# KiCad board Main.kicad_pcb (continued)
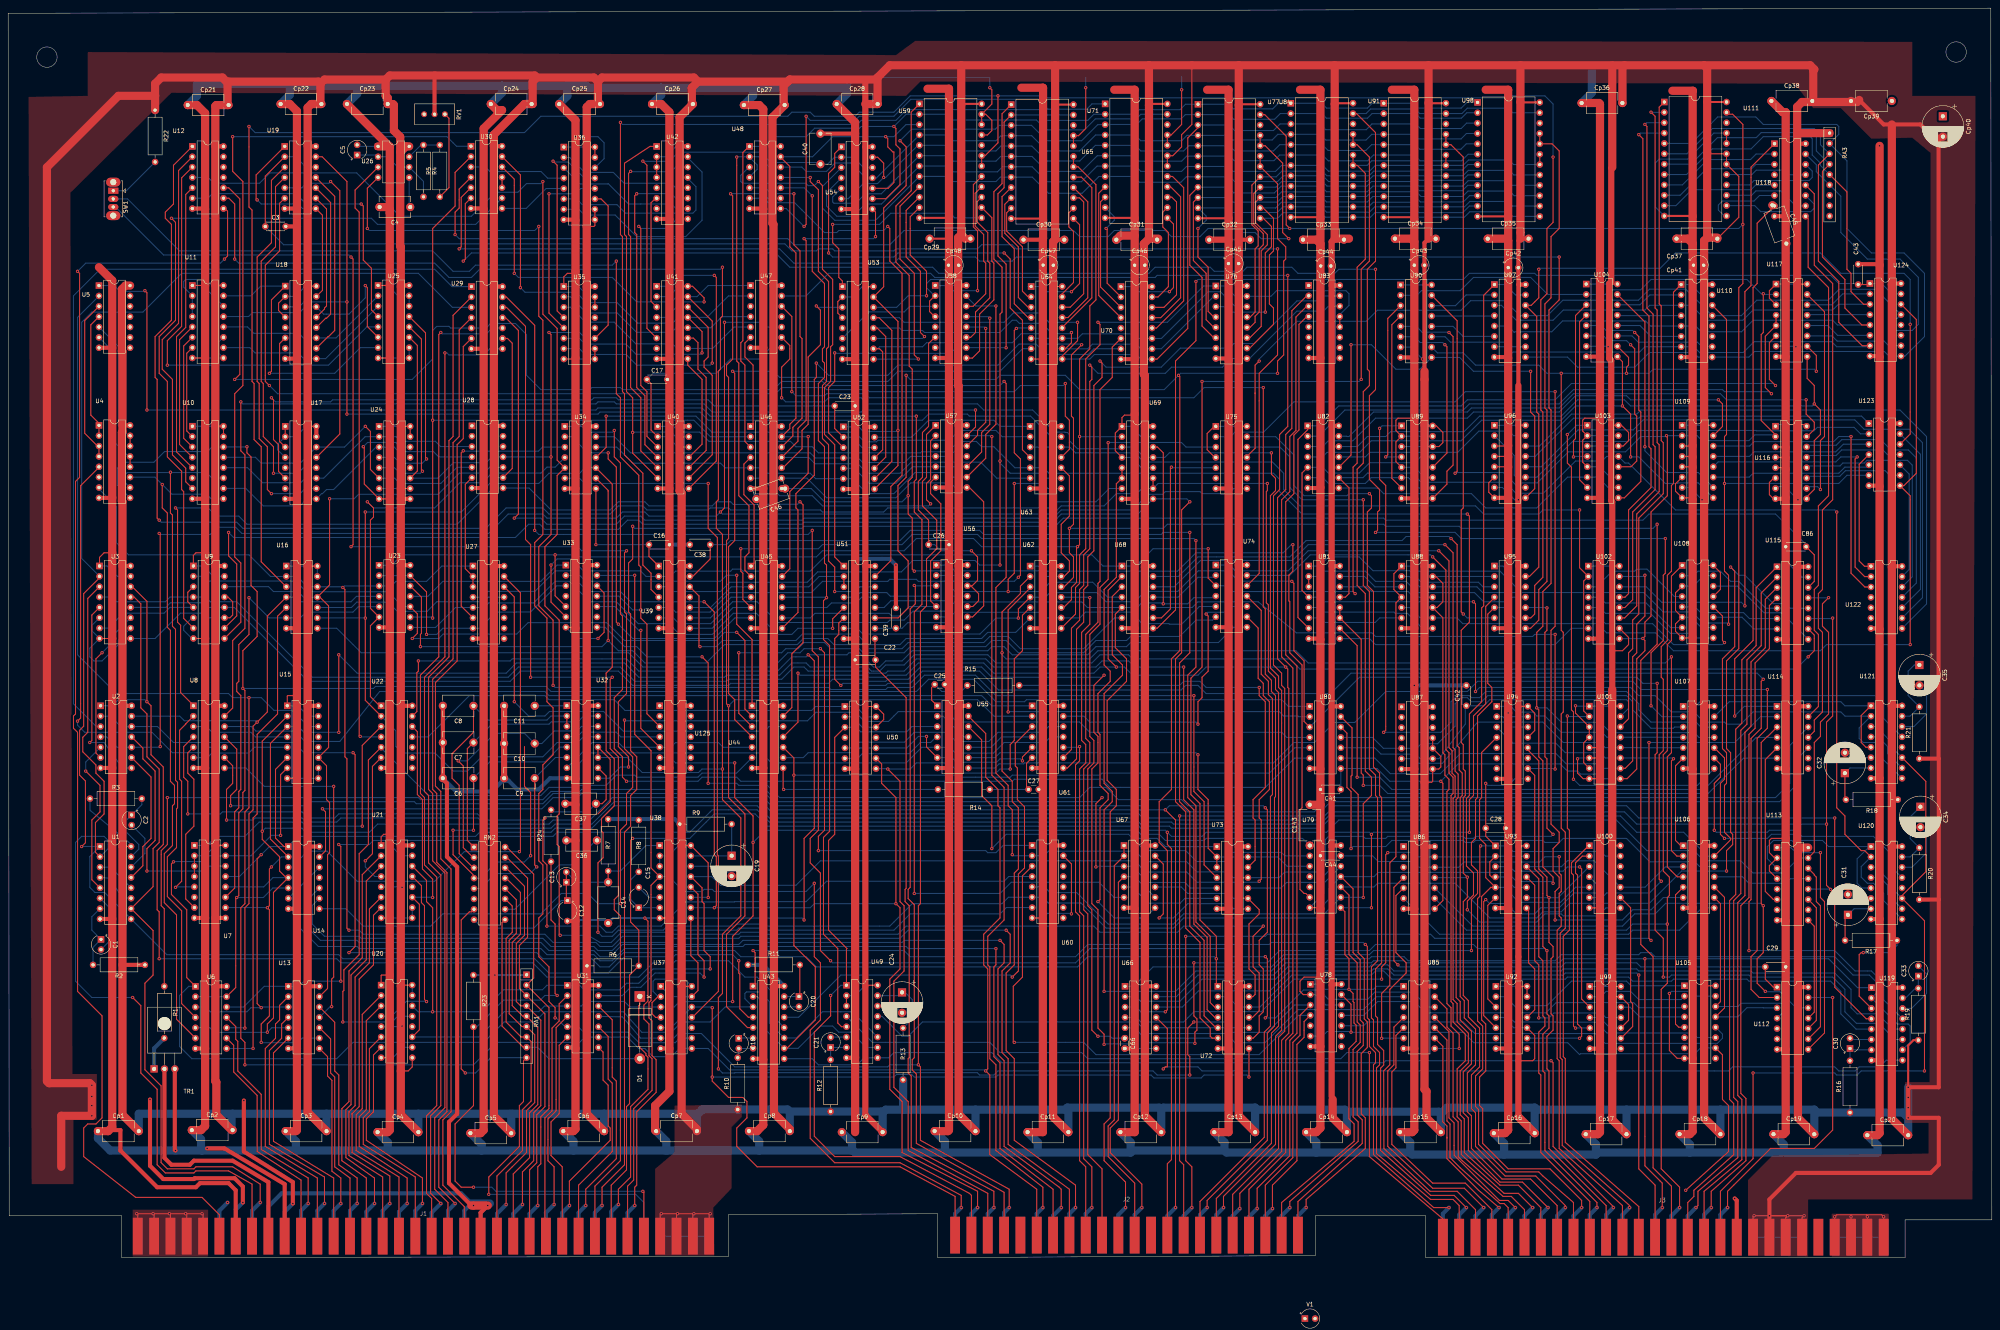
[diagram p0: board, top side]
## Routing (per net, layer and track width the routed paths; a pad name or vN(x,y) marks a point on that pad's centre or on a via; arc(x,y) is an arc through that point) (continued)
  vias: v1(20.5,39.5) v1(20.5,37.25) v1(465.5,39.25) v1(465.5,36.75)
7MHz: length 339.1
  Top w0.25: v1(385,183.25) 385,169.08 U102.2 386,165.82 386,134 U101.2 ; J3.13 399.5,12.5 381.5,28.25 381.5,48.75 381,49.25 381,78.75 382.5,80.25 382.5,104.75 382,105.25 v1(382,132.75)
  Bottom w0.25: U63.3 U63.12 260.08,198.67 261.5,197.25 261.5,197.25 276,197.25 278.25,195 309.75,195 312.5,192.25 312.5,188.25 316.5,184.25 359.5,184.25 361.5,182.25 375,182.25 376,183.25 v1(385,183.25) ; v1(382,132.75) 382.13,132.62 U101.2
14MHz: length 82.4
  Top w0.25: v1(421.25,12.25) 421.25,16.25 431.75,26.75 442.5,26.75 447,31.25 v1(447,63.75)
  Bottom w0.25: U112.13 v1(447,63.75)
  Bottom w1: J3.46 419.5,10.5 v1(421.25,12.25)
8000: length 157.2
  Top w0.25: U79.6 317.93,89.25 317.5,89.25 316.5,90.25 316.5,109.75 317,110.25 317,145.25 314,148.25 314,160.75 313.77,160.97 313.77,167.28 314.75,168.25 v1(314.75,174.75)
  Bottom w0.25: v1(314.75,174.75) 314.38,174.75 312.38,172.75 291,172.75 286.5,168.25 254.5,168.25 253.26,169.49 U62.1
A6: length 318
  Top w0.25: J1.6 51.75,10.5 47.5,14.75 31.25,14.75 18.5,24.75 18.5,31.75 19.5,32.75 21.5,32.75 23,34.25 23,59.25 17,65.25 17,128.75 16,129.75 16,132.75 16.5,133.25 16.5,190.25 17.5,191.25 17.5,241.25 v1(17,241.75) ; v1(53,244.75) 53.75,245.5 53.75,256.5 53.12,257.13 U12.8
  Bottom w0.25: v1(53,244.75) 52,243.75 19,243.75 v1(17,241.75)
A8: length 216.3
  Top w0.25: J1.8 59.75,18 54,21.25 46,21.25 45.5,20.75 38.5,20.75 36.5,22.75 36.5,41.25 32.5,45.25 32.5,61.75 v1(30.5,63.75) ; U1.2 21.38,99.37 21.38,106.62 23.5,108.75 23.5,116.75 21.5,118.75 21.5,120.75 18.27,123.97 18.27,127.53 19.5,128.75 19.5,161.57 U3.3
  Bottom w0.25: U1.2 24.5,100.24 24.5,102.25 23.5,103.25 18,103.25 16.5,101.75 16.5,67.75 20.5,63.75 v1(30.5,63.75)
A9: length 63.1
  Top w1: J1.9 63.75,18.5 55,23.75 45.5,23.75 44.5,22.75 40,22.75 38.29,24.46 TR1.2
A11: length 57.5
  Top w0.25: U6.9 55.25,52.04 55.25,45.5 61,39.75 61,26 71.75,19 J1.11
A12: length 68.2
  Top w0.25: J1.12 75.75,19.5 63,27.25 63,51.25 65.5,53.75 65.5,57.25 66.5,58.25 66.5,61.83 U13.2
A13: length 58.3
  Top w0.25: U13.6 65,50.17 65,28.5 79.75,19.5 J1.13
A14: length 54.5
  Top w0.25: J1.14 83.75,19.5 80,22.25 80,44.25 79,45.25 79,53.59 U13.10
A15: length 100.3
  Top w0.25: U21.2 86.75,93.86 86.75,73.5 83.5,70.25 83.5,38.25 81.75,36.5 81.75,23.75 87.75,19.5 J1.15
A16: length 90.9
  Top w0.25: J1.16 91.75,19.75 83.5,25 83.5,35.75 85,37.25 85,68.75 88.5,72.25 88.5,85.45 U21.6
A17: length 67.4
  Top w0.25: U20.2 86.75,59.61 86.75,36.5 85.25,35 85.25,26.25 95.75,19.75 J1.17
A18: length 57.7
  Top w0.25: J1.18 99.75,19.75 87,27.75 87,34.25 88.5,35.75 88.5,51.2 U20.6
A19: length 242.6
  Top w0.25: J1.19 103.75,14.5 102.5,15.75 102.5,34.75 105,37.25 105,93.25 102,96.25 102,112.75 101,113.75 101,142.75 105.5,147.25 105.5,226.25 v1(106,226.75)
  Bottom w0.25: U29.10 118.59,227.84 117.18,226.43 106.32,226.43 v1(106,226.75)
A20: length 238.6
  Top w0.25: U29.2 109,230.96 109,201.25 108,200.25 108,147.25 103,142.25 103,114.75 104,113.75 104,97.25 107,94.25 107,36.75 104.5,34.25 104.5,16.75 107.75,13.5 J1.20
A21: length 228.3
  Top w0.25: J1.21 111.75,12.5 106.5,17.75 106.5,33.75 108.5,35.75 108.5,95.25 106,97.75 106,114.25 104.68,115.57 104.68,140.93 110,146.25 110,199.25 111.5,200.75 111.5,223.3 U29.6
A23: length 90.8
  Top w0.25: J1.23 119.75,20 126,26.25 126,36.25 128.12,38.38 128.12,52.95 RA1.7 125.67,54.08 122,57.75 122,78.25 123.5,79.75 123.5,86.17 RN2.11
A24: length 95.9
  Top w0.25: RN2.13 122,93 125.5,89.5 125.5,79.25 123.5,77.25 123.5,61.75 126.09,59.16 RA1.5 129.75,56.41 129.75,37.5 127.75,35.5 127.75,24.5 123.75,20.5 J1.24
A25: length 100.5
  Top w0.25: J1.25 127.75,21.5 129.5,23.25 129.5,35 131.5,37 131.5,59.74 RA1.3 125.25,65.99 125.25,76.5 127.25,78.5 127.25,92.75 ; 127.25,92.96 127.25,92.75 ; 127.25,92.75 127.25,93 122.17,98.08 RN2.15
A26: length 61.1
  Top w0.25: 131.75,5.5 131.5,5.75 131.5,34.25 133.25,36 133.25,56.25 135,58 135,62.2 U31.2
A27: length 51.3
  Top w0.25: 135.75,5.5 135.75,22.25 133,25 133,33.25 135,35.25 135,52.04 U31.6
A28: length 55.9
  Top w0.25: 139.75,5.5 139.75,17.75 148,26 148,42.75 147,43.75 147,54.2 U31.10
A29: length 255.7
  Top w0.25: 143.75,5.5 143.75,17.5 150,23.75 150,83.75 148.5,85.25 148.5,87.75 149.5,88.75 149.5,122.75 147.5,124.75 147.5,141.75 v1(148,142.25) ; 128,145.75 128,145.5 ; 128,145.75 128,174.75 126.75,176 126.75,228.25 122.08,232.92 U29.12 ; 128,145.75 v1(128,142.25)
  Bottom w0.25: v1(148,142.25) v1(128,142.25)
A30: length 273.1
  Top w0.25: 147.75,5.5 147.75,17.75 151.5,21.5 151.5,37 152.25,37.75 152.25,69.25 R6.2 154.5,80.25 152.5,82.25 152.5,102.25 v1(153,102.75)
  Bottom w0.25: v1(153,102.75) 167,102.75 173,108.75 183,108.75 186,105.75 275.5,105.75 277.5,103.75 282,103.75 283.5,102.25 293,102.25 293.5,102.75 317.13,102.75 C143.1
A32: length 154.9
  Top w0.25: v1(134.5,64.25) 134,64.75 134,81.75 133,82.75 R24.1 ; v1(155.5,16.25) 155.75,16 J1.32 ; v1(114,17.25) 111,17.25 109.5,18.75 109.5,32.75 114,37.25 R23.2
  Bottom w0.25: v1(134.5,64.25) 131.5,64.25 130.37,63.12 121.37,63.12 114.8,56.55 R23.2 ; v1(155.5,16.25) 119.5,16.25 118.5,17.25 v1(114,17.25)
Aa: length 94.2
  Top w0.25: RN2.12 124.5,87.71 124.5,79.5 122.75,77.75 122.75,59.75 125.88,56.62 RA1.6 129,54.62 129,38 127,36 127,25.75 122,20.75 v1(122,13)
  Bottom w1: J1.59 119.75,10.75 v1(122,13)
Ab: length 99.3
  Top w0.25: v1(126,13) 126,21 128.75,23.75 128.75,35.5 130.5,37.25 130.5,58.2 RA1.4 125.55,61.7 124.5,62.75 124.5,77 126.5,79 126.5,91 121.96,95.54 RN2.14
  Bottom w1: J1.60 123.75,10.75 v1(126,13)
Ac: length 103.5
  Top w0.25: v1(129.75,12.75) 129.75,22.25 130.5,23 130.5,34.5 132.5,36.5 132.5,61.28 RA1.2 128.75,68.53 128.75,94 122.13,100.62 RN2.16
  Bottom w1: J1.61 127.75,10.75 v1(129.75,12.75)
ACCE. A: length 523
  Top w0.25: v1(81,128.75) v1(81,147.75) ; U14.2 64.25,102.59 64.25,126.04 U15.3 ; v1(64.5,95.75) 64,95.25 64,86.25 v1(63.5,85.75) 64,85.25 64,59.25 62,57.25 v1(62,52.75) ; v1(441,147.25) 442.5,148.75 442.5,152.59 U115.10
  Bottom w0.25: v1(62,52.75) 62.08,52.68 70.92,52.68 72.05,53.8 U13.9 ; U7.10 63.46,85.79 v1(63.5,85.75) ; v1(64.5,95.75) 66.96,98.21 U14.2 ; v1(441,147.25) 438,144.25 316.5,144.25 314,146.75 275.5,146.75 274.5,147.75 267.5,147.75 265.5,145.75 242,145.75 240,147.75 222,147.75 219.5,145.25 215,145.25 213.5,143.75 211.5,143.75 210.5,144.75 196.5,144.75 195.5,145.75 192,145.75 189,142.75 176,142.75 175.5,142.25 154.5,142.25 151,145.75 124.5,145.75 122,143.25 85.5,143.25 v1(81,147.75) ; U15.3 71.08,130.17 72.5,128.75 81,128.75 v1(81,128.75)
ACCE. B: length 596.9
  Top w0.25: v1(447,156.75) 447,132.75 445.5,131.25 v1(445.5,106.25) 445.5,91.25 v1(446.5,90.25) ; U15.2 62.25,126.58 v1(62.25,104.5) 62.25,102.5 66.5,98.25 66.5,94.75 68.12,93.13 U14.4 65,89.5 65,58.75 63.5,57.25 v1(63.5,55.25)
  Bottom w0.25: U115.11 446.88,156.63 v1(447,156.75) ; v1(445.5,106.25) 399,106.25 396,109.25 324.5,109.25 321.5,106.25 285.5,106.25 285,106.75 279,106.75 277,108.75 187.5,108.75 184.5,111.75 148.5,111.75 143,106.25 134,106.25 133,105.25 117,105.25 116,106.25 90.5,106.25 88.5,104.25 73,104.25 72,105.25 63,105.25 v1(62.25,104.5) ; U113.12 446.42,90.33 v1(446.5,90.25) ; U14.4 64.88,93.13 62.62,90.87 U7.12 ; U13.5 64.59,56.34 v1(63.5,55.25) 63.45,55.2 50.55,55.2 49.42,56.33 U6.5
ACCE. C: length 565.1
  Top w0.25: U15.6 65.5,119.67 65.5,102.83 67.58,100.75 U14.1 ; v1(62,98.75) 61,97.75 61,62.25 v1(62,61.25) ; U106.13 422,102.41 422,102.75 420.5,104.25 420.5,115.75 421,116.25 421,123.75 420,124.75 420,146.75 423,149.75 423,168.25 v1(422,169.25)
  Bottom w0.25: U7.13 56.66,93.41 v1(62,98.75) 64,100.75 U14.1 68.63,100.88 71,103.25 114.5,103.25 115.5,104.25 133,104.25 134,105.25 143,105.25 148.5,110.75 183.5,110.75 186.5,107.75 276,107.75 278,105.75 284.5,105.75 285,105.25 321.5,105.25 324.5,108.25 395,108.25 399,104.25 410.5,104.25 416.34,98.41 U106.13 ; v1(422,169.25) 424,167.25 425.5,167.25 432.45,160.29 435.45,160.29 436.58,159.17 U115.12 ; U13.3 62.17,61.42 v1(62,61.25) 59.5,61.25 58.5,60.25 49.5,60.25 48.34,61.41 U6.3
ACCE. D: length 610.8
  Top w0.25: v1(81,101.25) 81.5,100.75 v1(81.5,67.75) ; J2.14 284,23 285,24 285,100.25 284,101.25 v1(284,104.25) ; U113.15 442.5,99.45 442.5,126.25 444,127.75 444,131.25 446,133.25 446,153.25 444.5,154.75 444.5,160.25 v1(446,161.75)
  Bottom w0.25: v1(81.5,67.75) 72.5,67.75 71.25,66.5 U13.1 62.75,66.5 57.66,61.41 U6.12 ; v1(81,101.25) 88.5,101.25 89.5,102.25 115.5,102.25 116.5,103.25 133.5,103.25 134.5,104.25 167,104.25 172.5,109.75 183.5,109.75 186.5,106.75 276,106.75 278,104.75 283.5,104.75 v1(284,104.25) 285,103.25 292.5,103.25 293.5,104.25 323,104.25 326,107.25 394,107.25 401.5,99.75 413,99.75 415.5,97.25 424.5,97.25 427.46,94.28 435.04,94.28 438.7,97.95 U113.15 ; U115.13 445.96,161.71 v1(446,161.75)
ACCE. ST.: length 170.3
  Top w0.25: U37.11 167.63,58.88 174,65.25 174,98.5 173.75,98.75 173.75,176.5 171.5,178.75 v1(171.5,189.75)
  Bottom w0.25: U34.6 139.96,191.04 141.25,189.75 v1(171.5,189.75)
Ad: length 57.3
  Top w0.25: v1(133.75,13) 133.75,22.25 132.25,23.75 132.25,34 134.25,36 134.25,56.37 U31.4
  Bottom w1: v1(133.75,13) 131.75,11 J1.62
Ae: length 52.3
  Top w0.25: v1(137.5,12.75) 137.5,18.75 147.5,28.75 147.5,31.75 147,32.25 147,42.25 145.75,43.5 145.75,50.37 U31.8
  Bottom w1: v1(137.5,12.75) 135.75,11 J1.63
AF: length 9.1
  Bottom w1: v1(53.75,13.5) 51.75,11.5 J1.42
Af: length 62.1
  Top w0.25: U31.12 148,58.28 148,44.25 149,43.25 149,24.25 141.5,16.75 v1(141.5,12.75)
  Bottom w1: v1(141.5,12.75) 139.75,11 J1.64
Ah: length 484.1
  Top w0.25: C86.1 442.5,172.25 442.5,165.75 U115.14 ; v1(145.5,12.75) 145.5,17.25 151,22.75 151,104.25 152.5,105.75 152.5,113.25 154,114.75 154,122.75 152.5,124.25 152.5,157.75 152,158.25 152,170.25 153,171.25 v1(153,179.25)
  Bottom w0.25: C86.1 440.5,174.75 433,182.25 402,182.25 400.5,180.75 337.5,180.75 337,181.25 258.5,181.25 256.5,179.25 195,179.25 194.5,178.75 153.5,178.75 v1(153,179.25)
  Bottom w1: v1(145.5,12.75) 143.75,11 J1.65
Aj: length 63.5
  Top w0.25: D1.1 154.75,62 154.5,61.75 154.5,51.75 156.25,50 156.25,49.61 156.75,49.11 156.75,41.25 152.5,37 152.5,19.75 149.5,16.75 v1(149.5,13)
  Bottom w1: J1.66 147.75,11.25 v1(149.5,13)
AJ: length 189.5
  Top w0.25: v1(61.75,13.5) 61.75,18 55,22.25 46,22.25 45.5,21.75 39,21.75 37.47,23.29 37.47,42.08 33.5,46.05 33.5,67.25 35.5,69.25 35.5,80.16 U1.10 35.5,90.92 35.5,100.25 37,101.75 37,119.75 34,122.75 34,133.25 32.5,134.75 32.5,160.25 30.84,161.91 U3.13
  Bottom w1: v1(61.75,13.5) 59.75,11.5 J1.44
Ak: length 335.2
  Top w0.25: v1(153.5,12.75) 153.5,17.25 154,17.75 154,35.75 158.75,40.5 158.75,48.5 157.75,49.5 157.75,58 157,58.75 157,62.5 157.5,63 157.5,91.25 U38.4 157.5,95.51 157.5,124.25 153.5,128.25 v1(153.5,167.25) ; v1(197.5,91.75) 197.5,73.75 199,72.25 199,58.25 196.5,55.75 196.5,29.25 202.5,23.25 218.5,23.25 233.5,15.25 v1(233.5,12.25)
  Bottom w0.25: U33.13 153.45,167.2 v1(153.5,167.25) ; v1(197.5,91.75) 195.5,89.75 173,89.75 172.5,90.25 170.5,90.25 169.97,89.72 165.53,89.72 161.87,93.38 U38.4
  Bottom w1: v1(153.5,12.75) 151.75,11 J1.67 ; v1(233.5,12.25) 232,10.75 J2.23
Al: length 143.1
  Top w0.25: RN2.7 113.5,84.75 113,84.75 111,82.75 111,46.25 v1(112,45.25) ; RA1.9 126.25,48.25 126.25,38.25 125.25,37.25 125.25,27.25 117.75,19.75 v1(117.75,15.5)
  Bottom w0.25: J1.68 155.75,13.5 153.75,15.5 v1(117.75,15.5) ; v1(112,45.25) 114.5,45.25 118.25,49 RA1.9
AM: length 64.3
  Top w0.25: v1(73.5,13.25) 73.5,19.5 62,26.5 62,40 56.25,45.75 56.25,53 55.75,53.5 55.75,56.62 U6.11
  Bottom w1: v1(73.5,13.25) 71.75,11.5 J1.47
AN: length 64
  Top w0.25: v1(77.5,13.25) 77.5,19.75 64,27.75 64,50.75 67,53.75 67,57.25 U13.4
  Bottom w1: J1.48 75.75,11.5 v1(77.5,13.25)
AP: length 49.1
  Top w0.25: v1(81.5,13.25) 81.5,19.5 79.33,21.18 79.33,43.43 78.25,44.5 78.25,49.26 U13.8
  Bottom w1: v1(81.5,13.25) 79.75,11.5 J1.49
AR: length 61.2
  Top w0.25: U13.12 80,57.67 80,45.75 81,44.75 81,22.75 85.5,19.5 v1(85.5,13.25)
  Bottom w1: v1(85.5,13.25) 83.75,11.5 J1.50
AREA 1: length 393.9
  Top w0.25: v1(290.75,52.5) 290.75,55.25 291.25,55.75 291.25,58.5 290.5,59.25 v1(290.5,72.25) ; v1(379,152.75) v1(379,119.75) ; v1(389.25,12.25) 389.25,13.5 376.5,26.25 376.5,45.25 376,45.75 376,54.75 377.5,56.25 377.5,59.25 377,59.75 v1(377,75.25) 376,76.25 376,93.25 374,95.25 374,118.21 U94.10
  Bottom w0.25: U68.10 290.09,159.34 291.46,160.72 306.25,160.75 315.62,153.13 334.12,153.13 335,152.25 373.5,152.25 374,152.75 v1(379,152.75) ; v1(377,75.25) 376.5,75.75 360,75.75 359,76.75 335,76.75 333.5,75.25 311.5,75.25 308.5,72.25 v1(290.5,72.25) ; v1(379,119.75) 378.87,119.88 U94.10 ; U66.5 275.92,56.33 279.58,52.67 290.58,52.67 v1(290.75,52.5)
  Bottom w1: v1(389.25,12.25) 387.5,10.5 J3.38
AREA 2: length 172.2
  Top w0.25: U94.4 361,123.81 361,112.75 360.5,112.25 360.5,102.75 362,101.25 362,93.13 U93.5 363.25,90.75 361,88.5 361,58.25 362,57.25 362,45.75 360.5,44.25 360.5,37.25 361.25,36.5 361.25,28 367.5,21.75 377.75,21.75 385.5,14 v1(385.5,12.25)
  Bottom w0.25: U93.5 366.5,90.75 370.17,87.09 380.33,87.09 384.04,90.79 U100.5
  Bottom w1: v1(385.5,12.25) 383.5,10.25 J3.37
AREA 3: length 175.2
  Top w0.25: J3.9 383.5,13.5 376,20 375,21 367,21 360.25,27.75 360.25,36.25 359.5,37 359.5,44.5 361.25,46.25 361.25,56.75 360,58 360,88 360.55,88.55 360.55,100.71 v1(360.75,100.91) ; U93.1 362,103.29 C28.1 v1(362,116.25)
  Bottom w0.25: v1(362,116.25) 362.5,115.75 367.5,115.75 369.1,117.34 U94.9 ; v1(360.75,100.91) U93.1 367.34,100.91 368.71,99.53 390.21,99.53 391.34,98.41 U100.13
AREA 4: length 142.2
  Top w0.25: J3.10 387.5,13.75 375.5,25.75 375.5,44.75 375,45.25 375,55.25 376.5,56.75 376.5,58.75 376,59.25 376,72.75 375,73.75 375,92.83 U93.12
  Bottom w0.25: U106.3 410.26,95.75 406,95.75 401.04,90.79 U100.10 388.54,97.25 382,97.25 380.58,95.83 U93.12
AREA 5: length 148.2
  Top w0.25: U94.12 372.32,124.43 375,121.75 375,95.25 377,93.25 377,88.75 v1(377.5,88.25) 377.5,77.25 378.5,76.25 378.5,73.75 378,73.25 378,59.75 378.5,59.25 378.5,55.75 377,54.25 377,46.25 377.5,45.75 377.5,26.75 391.5,12.75 J3.11
  Bottom w0.25: U100.3 379.72,88.21 377.54,88.21 v1(377.5,88.25) 377.46,88.21 U93.9
AS: length 98.7
  Top w0.25: v1(89.75,13.25) 89.75,19.5 82.75,24.5 82.75,36.25 84,37.5 84,69.25 87.75,73 87.75,92.32 U21.3
  Bottom w1: v1(89.75,13.25) 87.75,11.25 J1.51
AT: length 89.4
  Top w0.25: U21.7 89.5,83.91 89.5,71.75 86,68.25 86,37 84.25,35.25 84.25,25.75 93.5,20 v1(93.5,13.25)
  Bottom w1: J1.52 91.75,11.5 v1(93.5,13.25)
AU: length 65.8
  Top w0.25: U20.3 87.75,58.07 87.75,36.25 86,34.5 86,27.25 97.75,19.5 v1(97.75,13.25)
  Bottom w1: v1(97.75,13.25) 95.75,11.25 J1.53
AV: length 55.8
  Top w0.25: v1(101.5,13.25) 101.5,19.5 87.75,28.75 87.75,34 89.5,35.75 89.5,49.66 U20.7
  Bottom w1: v1(101.5,13.25) 99.75,11.5 J1.54
AW: length 238.2
  Top w0.25: v1(107,221.75) 107,147.25 102,142.25 102,114.25 103,113.25 103,96.75 106,93.75 106,37.25 103.5,34.75 103.5,15.75 v1(106,13.25)
  Bottom w0.25: v1(107,221.75) 107.5,221.75 108,221.25 116.5,221.25 118.01,222.76 U29.8
  Bottom w1: v1(106,13.25) 103.75,11 J1.55
AX: length 233.7
  Top w0.25: U29.4 110.5,227.38 110.5,201.25 109,199.75 109,146.75 104,141.75 104,114.75 105,113.75 105,96.89 107.5,94.39 107.5,35.75 105.5,33.75 105.5,17.25 v1(109.5,13.25)
  Bottom w1: v1(109.5,13.25) 107.75,11.5 J1.56
B1: length 262.3
  Top w0.25: v1(172.5,61.25) v1(172.5,44.25) 172.5,43.25 176.5,39.25 180,39.25 181,38.25 181,34.25 178.5,31.75 178.5,27.25 183.5,22.25 218.5,22.25 232,15 J2.1 ; U72.8 v1(304,44.25)
  Bottom w0.25: v1(304,44.25) 303.5,44.75 293,44.75 292.27,44.02 280.73,44.02 280,44.75 242.5,44.75 242,44.25 222,44.25 221.38,44.88 217.62,44.88 217,44.25 v1(172.5,44.25) ; U37.5 162.42,56.34 U37.12 172.33,61.42 v1(172.5,61.25)
B2: length 184.3
  Top w0.25: U50.3 202.5,127.5 202.5,103.75 201,102.25 201,80.25 205.5,75.75 205.38,75.63 U49.1 ; J2.2 236,15.25 235.5,15.75 218.5,24.75 202.5,24.75 197.5,29.75 197.5,55.25 201.5,59.25 v1(201.5,64.25)
  Bottom w0.25: U50.3 207.75,130 208.88,128.88 220.12,128.88 221.41,130.16 U55.3 ; U49.1 204,66.75 v1(201.5,64.25)
B3: length 206.6
  Top w0.25: v1(245.5,119.75) 245.5,125.75 246.5,126.75 246.5,146.75 248.5,148.75 248.5,157.45 U62.5 ; v1(215.5,119.75) 218.5,116.75 218.5,87.25 219.5,86.25 219.5,70.25 217,67.75 217,41.75 220.5,38.25 220.5,26.25 240,15.75 J2.3
  Bottom w0.25: U50.8 215.41,119.84 v1(215.5,119.75) 221,119.75 222.5,121.25 230.5,121.25 233,118.75 242,118.75 243,119.75 v1(245.5,119.75)
B4: length 179.4
  Top w0.25: J2.4 244,16 222.5,28 222.5,45 221.5,46 221.5,48.5 222,49 222,86.5 220.5,88 220.5,90.25 221,90.75 221,159 222.25,160.25 222.25,164.5 v1(222,164.75)
  Bottom w0.25: U56.3 222.09,164.66 v1(222,164.75)
B6: length 576
  Top w0.25: v1(58,47.25) 58,52.75 57,53.75 57,85.75 58,86.75 58,109.25 59,110.25 v1(59,137.25) ; U55.13 239.5,128.45 239.5,117.75 242.5,114.75 242.5,110.75 243,110.25 243,83.25 239,79.25 239,71.75 240,70.75 240,46.25 v1(239.5,45.75) 240.5,44.75 240.5,25.25 252,16.75 J2.6
  Bottom w0.25: U5.2 17,230.46 17,147.75 26.5,138.25 54,138.25 55,137.25 v1(59,137.25) 62,137.25 65.12,134.12 69.62,134.12 73.58,130.17 U15.14 ; v1(239.5,45.75) 239.25,46 176.75,46 171.49,51.26 U37.8 164.51,51.26 162.5,49.25 158,49.25 156,51.25 154.5,51.25 151.71,54.04 U31.9 141.29,54.04 140,52.75 119.5,52.75 114,47.25 v1(58,47.25)
B7: length 270.3
  Top w0.25: J2.7 256,16.75 243,26.75 243,47.75 241.5,49.25 241.5,71.25 242,71.75 v1(242,75.75)
  Bottom w0.25: v1(242,75.75) 220.5,75.75 220,76.25 184.5,76.25 184,76.75 180.5,76.75 180,76.25 162.5,76.25 162,75.75 151,75.75 148,72.75 145,72.75 143.5,74.25 132,74.25 130.5,75.75 86,75.75 85.5,76.25 76,76.25 71.5,80.75 71.5,90.92 U14.12
B8: length 266.4
  Top w0.25: J2.8 260,16.75 245,27.75 245,48.75 243.5,50.25 243.5,70.25 245.5,72.25 245.5,79.25 v1(244.5,80.25)
  Bottom w0.25: U14.9 74.5,86.3 74.5,81.75 77.5,78.75 86,78.75 86.5,78.25 131,78.25 133,76.25 143.5,76.25 144.5,75.25 148,75.25 150,77.25 161.5,77.25 162.5,78.25 179,78.25 179.5,78.75 184,78.75 184.5,78.25 218.5,78.25 220.5,80.25 v1(244.5,80.25)
B9: length 125.3
  Top w0.25: v1(262.5,125.25) 262.5,121.75 261.5,120.75 261.5,84.75 262.5,83.75 262.5,23.75 264,22.25 J2.9
  Bottom w0.25: v1(262.5,125.25) 262.33,125.08 U61.10
B10: length 226.3
  Top w0.25: J2.10 268,21.75 264.5,25.25 264.5,84.25 263.5,85.25 263.5,119.75 265,121.25 265,126.25 264,127.25 264,152.75 267,155.75 267,165.25 267.5,165.75 267.5,212.75 270.5,215.75 270.5,223.17 U70.6
B12: length 99.8
  Top w0.25: J2.12 276,18.25 269.5,24.75 269.5,32.25 271,33.75 271,96.07 U67.2 U67.1
B15: length 267.7
  Top w0.25: J2.15 288,22.75 287,23.75 v1(287,108.25)
  Bottom w0.25: v1(287,108.25) 320.5,108.25 324,111.75 434,111.75 438.5,116.25 438.5,122.46 U114.10
B16: length 166.6
  Top w0.25: J2.16 292,13.75 307.75,29.5 307.75,55.25 309.25,56.75 309.25,113 309.75,113.5 309.75,137 308.75,138 308.75,141.25 307,143 307,158.63 U74.11
B17: length 604
  Top w0.25: v1(175.5,229.25) 175.5,183.75 v1(174.5,182.75) ; v1(308.5,189.75) 308.5,188 308.25,187.75 308.25,160.5 308.75,160 308.75,143.75 310.5,142 310.5,139.25 311.25,138.5 311.25,56.75 309.5,55 309.5,28 296,14.5 J2.17 ; v1(37.25,125.25) 37.25,177.25 v1(37,177.5) ; U69.10 U69.11
  Bottom w0.25: v1(37,177.5) 37.25,177.25 49.5,177.25 51.25,179 55.75,179 57.25,177.5 117.75,177.5 122.5,182.25 131,182.25 132,181.25 149,181.25 150.5,182.75 156,182.75 157,181.75 173.5,181.75 v1(174.5,182.75) 175,182.25 256,182.25 258,184.25 268.5,184.25 271.5,187.25 276.5,187.25 277.76,188.51 U69.10 281.74,189.75 v1(308.5,189.75) ; v1(175.5,229.25) 184.5,229.25 185.66,228.09 U47.10 ; v1(37.25,125.25) 37.09,125.09 U2.10 26.66,125.09 24.12,127.63 U2.4
B18: length 370
  Top w0.25: v1(313.5,240.75) 313.5,203.75 311.5,201.75 311.5,188.25 310,186.75 310,145.25 312,143.25 312,140.25 312.75,139.5 312.75,55.5 311.25,54 311.25,26.75 300,15.5 J2.18
  Bottom w0.25: U47.13 195.46,235.71 201,241.25 226,241.25 227,240.25 281,240.25 281.5,240.75 v1(313.5,240.75)
B19: length 235.8
  Top w0.25: 318.13,233.17 315.5,230.54 315.5,202.75 314,201.25 314,187.75 312,185.75 312,147.25 314.75,144.5 314.75,55 313,53.25 313,25.75 304,16.75 J2.19
B20: length 358.5
  Top w0.25: U78.3 316.5,59.38 316.5,54.5 314.75,52.75 314.75,24.5 308,17.75 J2.20 ; v1(289.5,177.75) 289.5,148.25 287,145.75 287,111.75 289.5,109.25 289.5,81.25 293,77.75 293,59.25 295.92,56.33 U72.5 ; U39.13 167.71,166.96 172,171.25 C38.1
  Bottom w0.25: v1(289.5,177.75) 283,177.75 282.5,177.25 239,177.25 238,178.25 221,178.25 218.5,175.75 177,175.75 176,174.75 C38.1 ; U78.3 315.16,61.91 308.45,55.2 299.55,55.2 298.42,56.33 U72.5 U66.10
B21: length 706.8
  Top w0.25: J2.21 312,13.5 329.75,28.5 329.75,32.75 328.5,34 328.5,51.25 330.25,53 330.25,56.98 329.73,57.5 329.73,62.52 329.5,62.75 329.5,64.75 v1(328.5,65.75) 328.5,73.25 327.5,74.25 327.5,84.76 U79.8 ; v1(244,214.75) 244.5,214.25 244.5,166.75 242,164.25 242,118.75 245,115.75 245,110.75 246,109.75 v1(246,98.75) ; v1(334,85.75) v1(334,103.75) ; U95.4 364.13,161.74 362,159.61 362,135.75 359,132.75 359,113.25 358,112.25 v1(358,104.25) ; v1(55.5,215.25) 56.75,216.5 56.75,259.5 54.04,262.21 U12.10
  Bottom w0.25: v1(358,104.25) 334.5,104.25 v1(334,103.75) 333.5,104.25 324.5,104.25 322.7,102.45 322.7,95.95 321.25,94.5 312.75,94.5 311.37,93.12 U73.11 300.13,93.12 298.71,94.53 291.21,94.53 288.71,97.03 278.71,97.03 276.13,99.62 254.87,99.62 253.74,98.49 U60.2 246.26,98.49 v1(246,98.75) ; v1(334,85.75) 333.99,85.76 U79.8 ; v1(244,214.75) 243,213.75 200.5,213.75 199.5,214.75 189.5,214.75 187.5,212.75 150.5,212.75 150,213.25 143,213.25 142.5,212.75 130.5,212.75 127,216.25 127,226.25 124.28,228.97 118.22,228.97 117.09,227.84 U29.5 108.41,227.84 108,228.25 105,228.25 104,227.25 104,220.25 99,215.25 v1(55.5,215.25) ; U85.1 335.24,66.49 334.5,65.75 v1(328.5,65.75) 322.5,65.75 321.26,66.99 U78.1
B22: length 730.5
  Top w0.25: U79.11 329.5,90.38 329.5,74.75 331.25,73 331.25,58.25 332,57.5 332,52 330.5,50.5 330.5,35 331.75,33.75 331.75,28 331.25,27.5 316,13.75 J2.22 ; v1(378.5,91.75) 378.5,93.25 376,95.75 376,121.75 375,122.75 375,134.25 v1(374.5,134.75) 374.5,153.25 376,154.75 376,163.25 378,165.25 378,207.75 377.5,208.25 377.5,232.25 380,234.75 v1(380,245.25) ; v1(110.5,247.25) 111,247.75 111,259.87 U30.5
  Bottom w0.25: U107.11 414.25,127.5 413.08,128.66 392.58,128.66 390.05,131.21 380.55,131.21 377,134.75 v1(374.5,134.75) ; v1(378.5,91.75) 378.08,92.16 369.58,92.16 367.33,94.41 335.67,94.41 334.63,93.38 U79.11 323.5,90.38 323.5,87.75 320,84.25 288,84.25 285.5,81.75 269.5,81.75 261.8,89.46 255.3,89.46 253.88,90.87 U60.5 ; v1(380,245.25) 247,245.25 246,244.25 238,244.25 237,245.25 218.5,245.25 217,243.75 192.5,243.75 189,247.25 v1(110.5,247.25)
BB: length 297.2
  Top w0.25: v1(170.5,160.75) 173,158.25 173,98.75 173.5,98.25 173.5,86.25 v1(173,85.75) ; U50.9 214,121 214,116.25 217.5,112.75 v1(217.5,86.75) 218.5,85.75 218.5,70.75 216,68.25 216,41.25 219,38.25 219,25.75 237.5,16.25 v1(237.5,12.25)
  Bottom w0.25: U33.2 138.05,167.2 142,163.25 150,163.25 152.5,160.75 v1(170.5,160.75) ; v1(217.5,86.75) 197.5,86.75 196.5,85.75 v1(173,85.75) 172.99,85.76 U38.10
  Bottom w1: v1(237.5,12.25) 236,10.75 J2.24
BC: length 163.1
  Top w0.25: U51.9 212.37,146.63 C22.1 212.5,144.75 220,137.25 220,90.5 219.75,90.25 219.75,87.25 220.75,86.25 220.75,49 220.5,48.75 220.5,45.25 221.25,44.5 221.25,27 241.5,16.25 v1(241.5,12.25)
  Bottom w1: v1(241.5,12.25) 240,10.75 J2.25
BD: length 301.6
  Top w0.25: v1(245.25,12.25) 245.25,16.75 223.5,28.75 223.5,46.75 v1(223,47.25) 223,86.25 223.5,86.75 223.5,158.25 225,159.75 225,171.25 227.5,173.75 227.5,180.75 224,184.25 224,190.25 225,191.25 225,201.75 U57.1
  Bottom w0.25: U31.11 150.5,59 154.95,53.8 U37.6 163.05,53.8 164.18,54.93 169.82,54.93 178,46.75 215.5,46.75 216,47.25 v1(223,47.25)
  Bottom w1: v1(245.25,12.25) 244,11 J2.26
BF: length 480.3
  Top w0.25: v1(57,209.75) 57,197.75 58,196.75 58,154.25 55,151.25 55,134.71 U8.13 ; v1(253.5,12.25) 253.5,17.25 242,26.25 242,47.25 240.5,48.75 240.5,71.25 240,71.75 240,78.75 244,82.75 244,115.25 241,118.25 v1(241,201.25) ; U57.13 237,203.59 v1(237,207.75)
  Bottom w0.25: v1(57,209.75) 57.5,209.25 144,209.25 144.5,209.75 148.5,209.75 149,209.25 170.5,209.25 172.5,207.25 209,207.25 209.5,207.75 v1(237,207.75) ; U57.13 240.79,201.46 v1(241,201.25)
  Bottom w1: v1(253.5,12.25) 252,10.75 J2.28
BH: length 267.6
  Top w0.25: v1(243,77.75) 244,76.75 244,72.25 242.5,70.75 242.5,49.75 244,48.25 244,27.25 257.5,17.25 258,16.75 v1(258,12.25)
  Bottom w0.25: v1(243,77.75) 219.5,77.75 219,77.25 184.5,77.25 184,77.75 180,77.75 179,76.75 150.5,76.75 147.5,73.75 145,73.75 143.5,75.25 132.5,75.25 130.5,77.25 86,77.25 85.5,77.75 76.5,77.75 73,81.25 73,87.34 U14.10
  Bottom w1: J2.29 256,10.25 v1(258,12.25)
BJ: length 400.7
  Top w0.25: v1(407.5,147.25) 407.5,123.75 406.5,122.75 406.5,95.75 408.92,93.33 U106.4 ; U62.2 248,164.57 248,162.75 243.5,158.25 v1(243.5,148.25) 243.5,119.25 246,116.75 246,111.75 247.5,110.25 247.5,95.25 246.5,94.25 246.5,71.75 244.5,69.75 244.5,50.75 246.5,48.75 246.5,28.75 261.5,17.75 v1(261.5,12.25)
  Bottom w0.25: v1(243.5,148.25) 243.5,147.75 244.5,146.75 265,146.75 267,148.75 315.5,148.75 318.5,145.75 406,145.75 v1(407.5,147.25)
  Bottom w1: J2.30 260,10.75 v1(261.5,12.25)
